# Altium PCB ZZW-FM17550-CB-001-V0.4.PcbDoc (part 1 of 3)
Units mil, origin at the board's own origin, x right, y up, seen from the top; angles counter-clockwise.
Board outline 1510 x 3524 mil, 2 copper layers (Top Layer, Bottom Layer); 440 components, 36 nets, 1370 pads, 672 vias.
Unrouted connection lines stored in the file: 245.
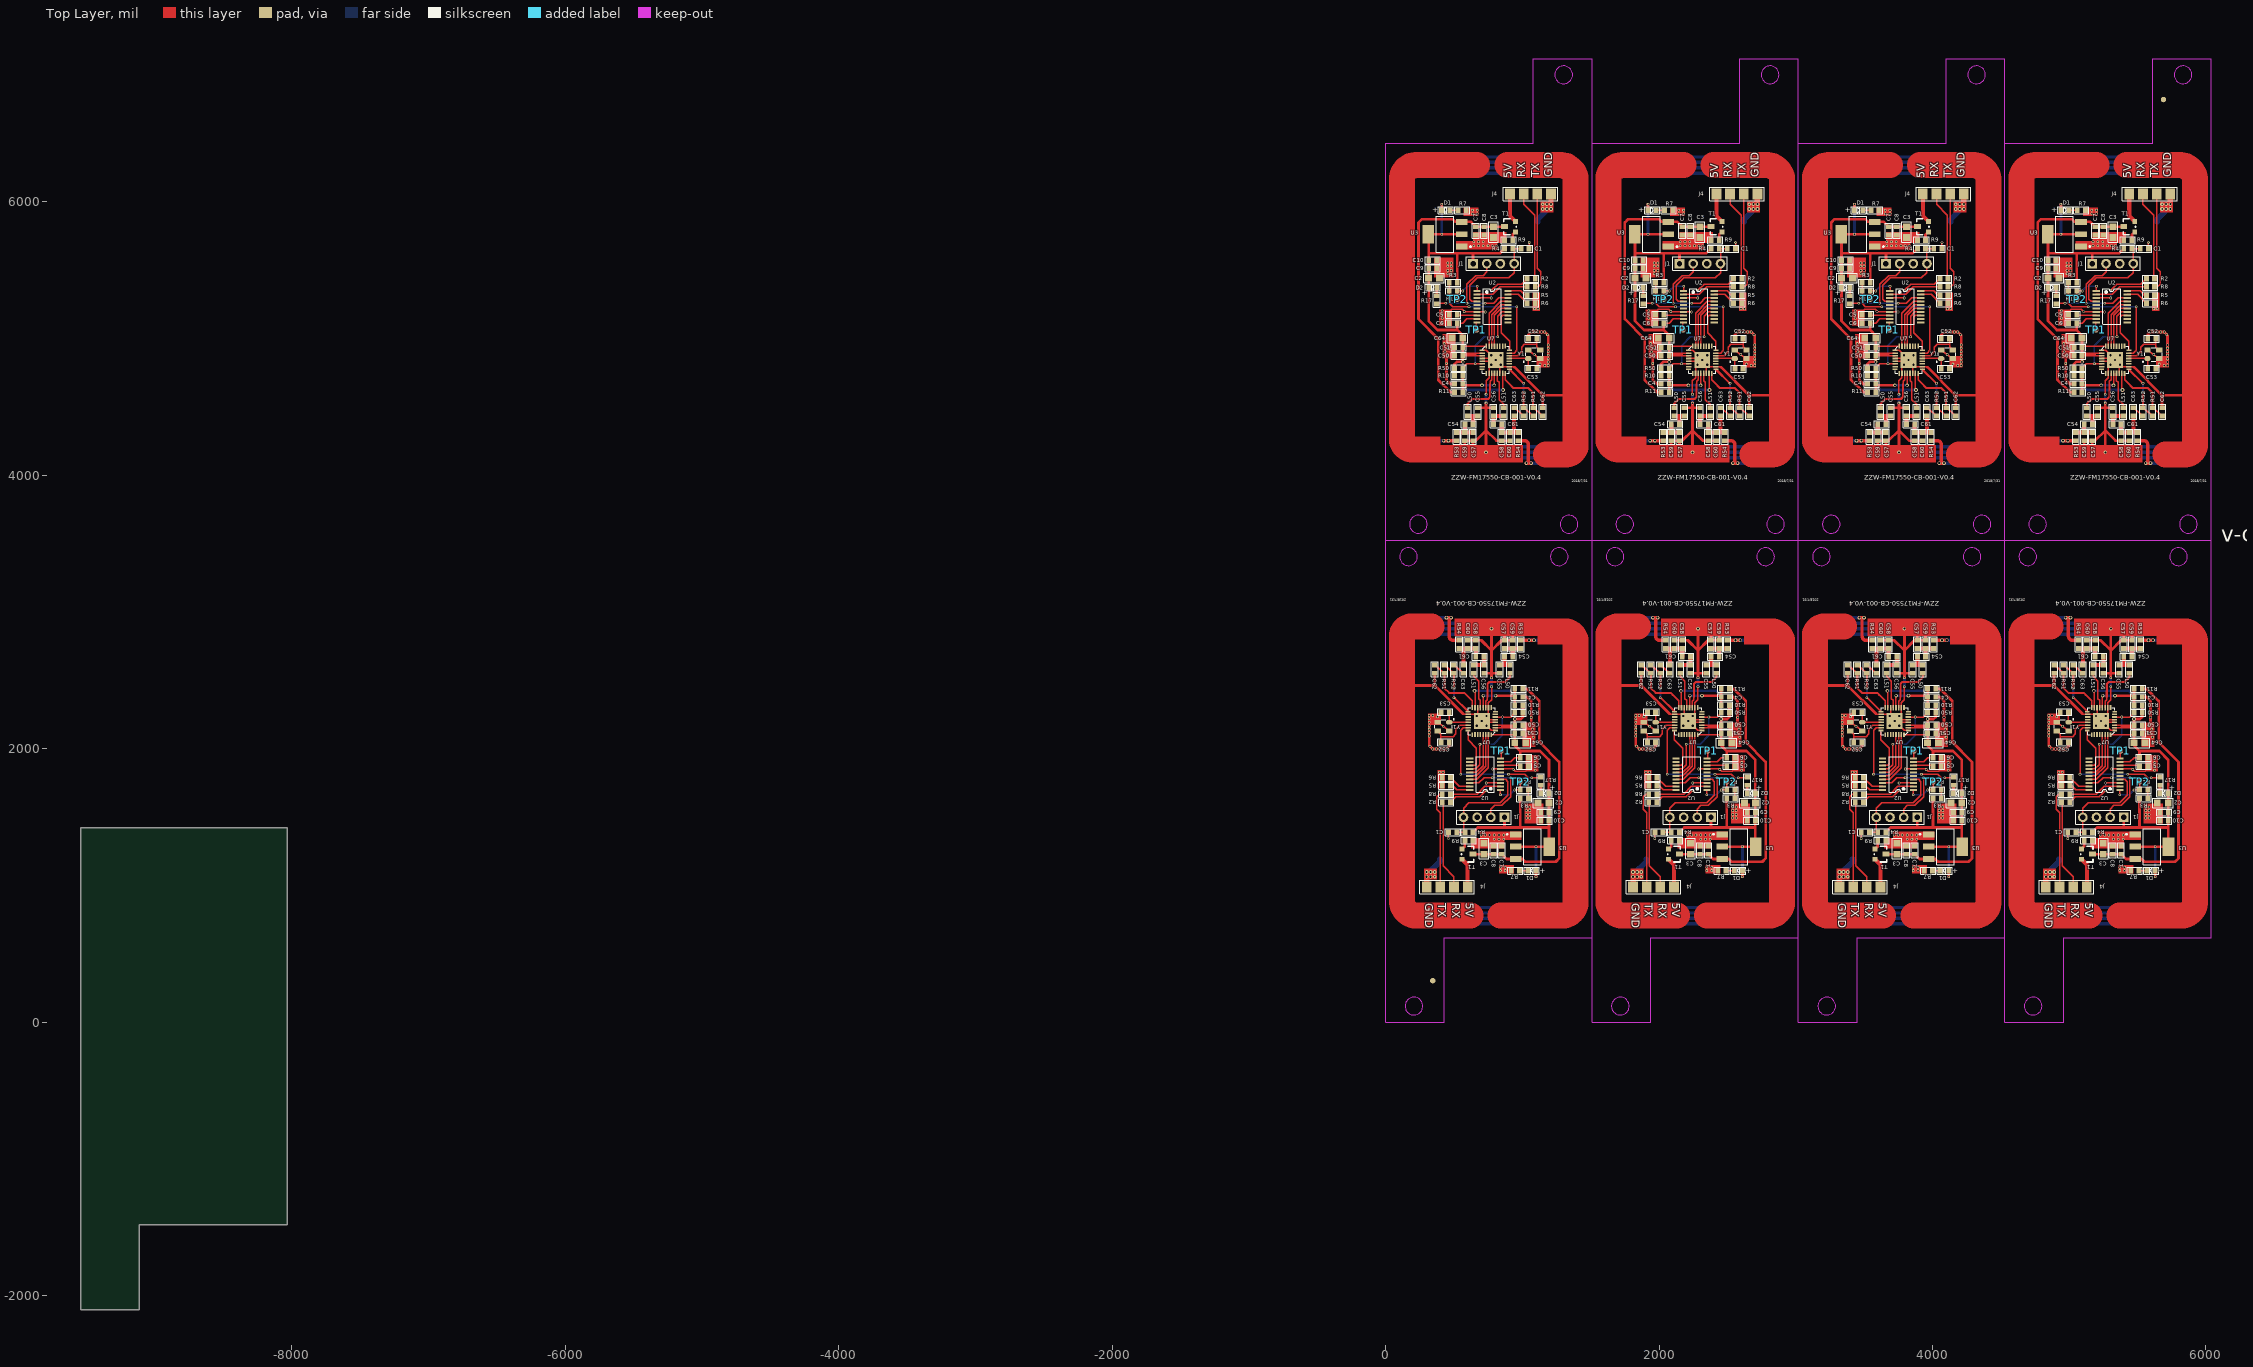
[diagram p0: Top Layer view]
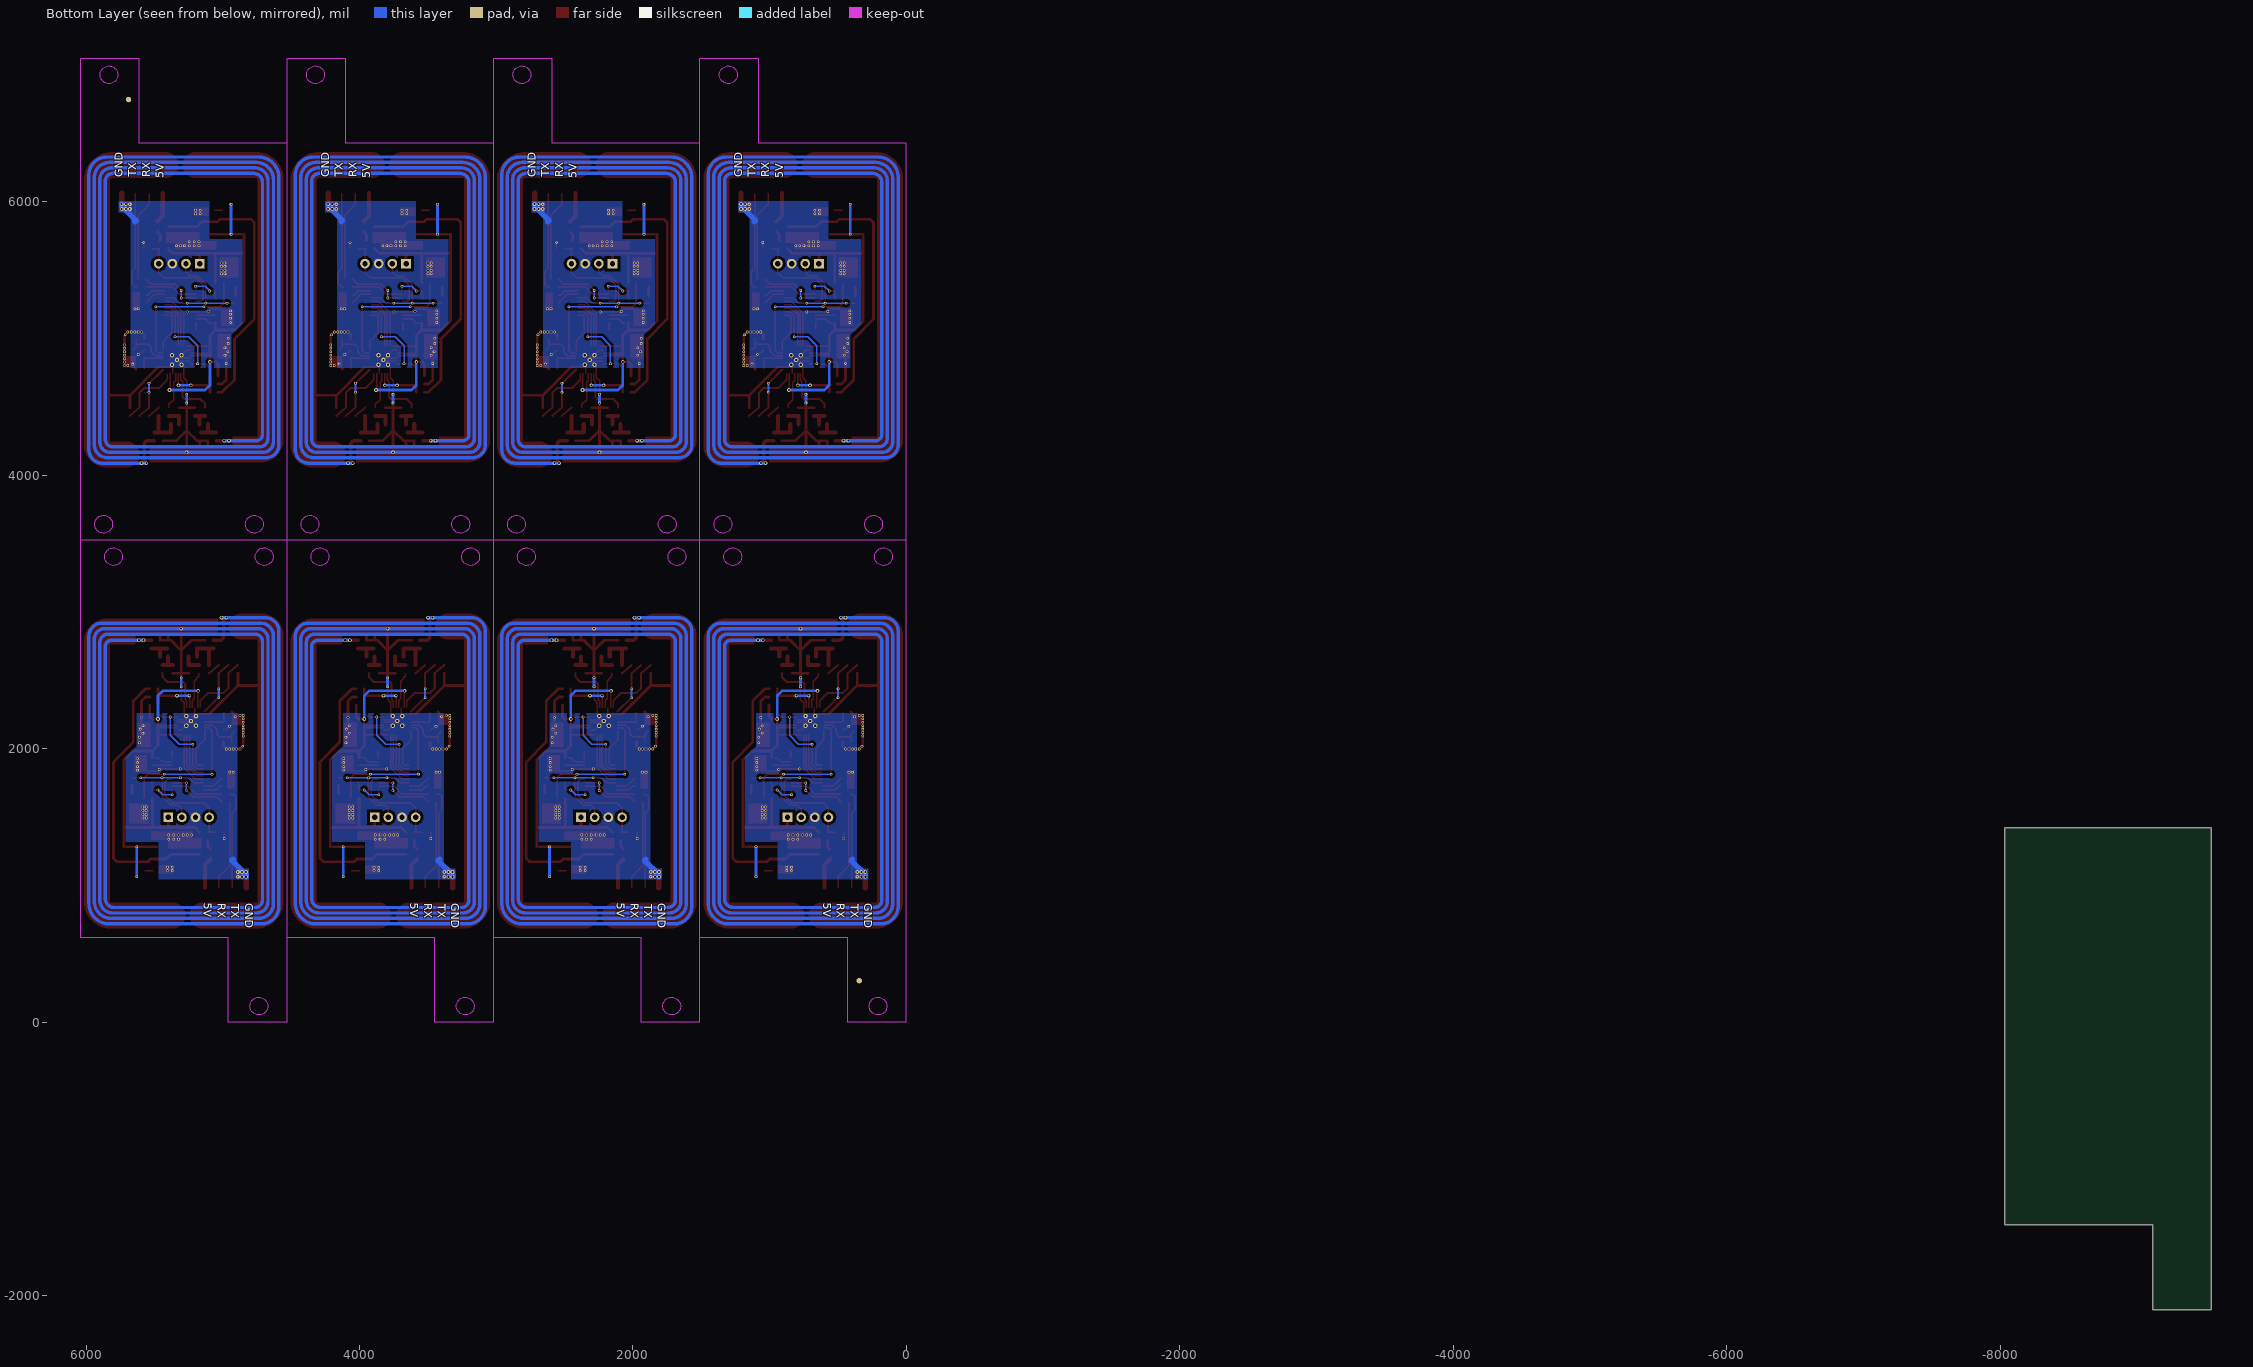
[diagram p1: Bottom Layer view, seen from below]

## Layer stack, top to bottom
Top Solder: solder mask 0.4, Solder Resist, Dk 3.5
Top Layer: signal copper 1.4
Dielectric 1: dielectric 12.6, FR-4, Dk 4.8
Bottom Layer: signal copper 1.4
Bottom Solder: solder mask 0.4, Solder Resist, Dk 3.5

## Board outline
-8035,1422 -8035,-1483 -9115,-1483 -9115,-2102 -9545,-2102 -9545,1422

## Design rules (kind name [scope] priority, off if disabled: settings)
Clearance Clearance_2 [InPolygon] p1: gap=20 ignorepadtopadclearanceinfootprint=FALSE except(0: Arc-Hole Track-Hole SMDPad-Hole THPad-Hole Via-Hole Fill-Hole Poly-Hole Region-Hole Text-Hole; 10: Text-Text)
Clearance Clearance_1 [InPolygon vs IsKeepOut] p2: gap=20 ignorepadtopadclearanceinfootprint=FALSE except(0: Arc-Hole Track-Hole SMDPad-Hole THPad-Hole Via-Hole Fill-Hole Poly-Hole Region-Hole Text-Hole)
Clearance [All] p3: gap=8 ignorepadtopadclearanceinfootprint=TRUE except(0: Arc-Hole Track-Hole SMDPad-Hole THPad-Hole Via-Hole Fill-Hole Poly-Hole Region-Hole Text-Hole)
ComponentClearance [All] p1: gap=0 collisioncheckmode=3 verticalgap=0 showdistances=FALSE
DiffPairsRouting [All] p1: maxlimit=100 minlimit=1 mostfreqgap=7 toplayer_minwidth=15 toplayer_maxwidth=15 toplayer_prefwidth=15 bottomlayer_minwidth=15 bottomlayer_maxwidth=15 bottomlayer_prefwidth=15 maxuncoupledlength=500
MinimumSolderMaskSliver [All] p1: minsoldermaskwidth=1
PolygonConnect PolygonConnect_2 [InComponent('J4')] p1: connectstyle=Relief reliefconductorwidth=30 reliefentries=4 polygonreliefangle="90 Angle" airgapwidth=20
PolygonConnect PolygonConnect_1 [InComponentClass('十字覆铜器件')] p2: connectstyle=Relief reliefconductorwidth=20 reliefentries=4 polygonreliefangle="90 Angle"
PolygonConnect [All] p3: connectstyle=Direct reliefconductorwidth=20 reliefentries=4 polygonreliefangle="90 Angle" airgapwidth=10
RoutingVias [All] p1: holewidth=11.81 width=19.68 viastyle="Through Hole" minholewidth=11.81 minwidth=19.68 maxholewidth=66.93 maxwidth=106.3
SilkToSilkClearance [All] p1: silktosilkclearance=0
SilkToSolderMaskClearance [IsPad] p1: minsilkscreentomaskgap=0 clearancetoexposedcopper=TRUE
SolderMaskExpansion [All] p1: expansion=4
Width [All] p1: maxlimit=500 minlimit=10 preferedwidth=10
25 further rules are at their usual default settings.

## Classes and differential pairs
component class 十字覆铜器件: J1

## Components (designator, comment, footprint, x,y, rotation, side; value= is the part's Value field where it differs from the comment)
C1 "100nF" 0603 4990,1389 r0 top
C1 "100nF" 0603 3480,1389 r0 top
C1 "100nF" 0603 1970,1389 r0 top
C1 "100nF" 0603 460,1389 r0 top
C1 "100nF" 0603 5580,5659.01 r180 top
C1 "100nF" 0603 4070,5659.01 r180 top
C1 "100nF" 0603 2560,5659.01 r180 top
C1 "100nF" 0603 1050,5659.01 r180 top
C2 "22uF" 0805 5645,1604 r0 top
C2 "22uF" 0805 4135,1604 r0 top
C2 "22uF" 0805 2625,1604 r0 top
C2 "22uF" 0805 1115,1604 r0 top
C2 "22uF" 0805 4925,5444.01 r180 top
C2 "22uF" 0805 3415,5444.01 r180 top
C2 "22uF" 0805 1905,5444.01 r180 top
C2 "22uF" 0805 395,5444.01 r180 top
C3 "22uF" 0805 5250,1309 r270 top
C3 "22uF" 0805 3740,1309 r270 top
C3 "22uF" 0805 2230,1309 r270 top
C3 "22uF" 0805 720,1309 r270 top
C3 "22uF" 0805 5320,5739.01 r90 top
C3 "22uF" 0805 3810,5739.01 r90 top
C3 "22uF" 0805 2300,5739.01 r90 top
C3 "22uF" 0805 790,5739.01 r90 top
C4 "100nF" 0603 5535,2379 r180 top
C4 "100nF" 0603 4025,2379 r180 top
C4 "100nF" 0603 2515,2379 r180 top
C4 "100nF" 0603 1005,2379 r180 top
C4 "100nF" 0603 5035,4669.01 r0 top
C4 "100nF" 0603 3525,4669.01 r0 top
C4 "100nF" 0603 2015,4669.01 r0 top
C4 "100nF" 0603 505,4669.01 r0 top
C5 "1uF" 0603 5575,1874 r180 top
C5 "1uF" 0603 4065,1874 r180 top
C5 "1uF" 0603 2555,1874 r180 top
C5 "1uF" 0603 1045,1874 r180 top
C5 "1uF" 0603 4995,5174.01 r0 top
C5 "1uF" 0603 3485,5174.01 r0 top
C5 "1uF" 0603 1975,5174.01 r0 top
C5 "1uF" 0603 465,5174.01 r0 top
C6 "100nF" 0603 5515,1934 r0 top
C6 "100nF" 0603 4005,1934 r0 top
C6 "100nF" 0603 2495,1934 r0 top
C6 "100nF" 0603 985,1934 r0 top
C6 "100nF" 0603 5055,5114.01 r180 top
C6 "100nF" 0603 3545,5114.01 r180 top
C6 "100nF" 0603 2035,5114.01 r180 top
C6 "100nF" 0603 525,5114.01 r180 top
C7 "10uF" 0603 5380,1289 r270 top
C7 "10uF" 0603 3870,1289 r270 top
C7 "10uF" 0603 2360,1289 r270 top
C7 "10uF" 0603 850,1289 r270 top
C7 "10uF" 0603 5190,5759.01 r90 top
C7 "10uF" 0603 3680,5759.01 r90 top
C7 "10uF" 0603 2170,5759.01 r90 top
C7 "10uF" 0603 660,5759.01 r90 top
C8 "10nF" 0603 5320,1289 r270 top
C8 "10nF" 0603 3810,1289 r270 top
C8 "10nF" 0603 2300,1289 r270 top
C8 "10nF" 0603 790,1289 r270 top
C8 "10nF" 0603 5250,5759.01 r90 top
C8 "10nF" 0603 3740,5759.01 r90 top
C8 "10nF" 0603 2230,5759.01 r90 top
C8 "10nF" 0603 720,5759.01 r90 top
C9 "10uF" 0603 5665,1534 r0 top
C9 "10uF" 0603 4155,1534 r0 top
C9 "10uF" 0603 2645,1534 r0 top
C9 "10uF" 0603 1135,1534 r0 top
C9 "10uF" 0603 4905,5514.01 r180 top
C9 "10uF" 0603 3395,5514.01 r180 top
C9 "10uF" 0603 1885,5514.01 r180 top
C9 "10uF" 0603 375,5514.01 r180 top
C10 "10nF" 0603 5665,1474 r0 top
C10 "10nF" 0603 4155,1474 r0 top
C10 "10nF" 0603 2645,1474 r0 top
C10 "10nF" 0603 1135,1474 r0 top
C10 "10nF" 0603 4905,5574.01 r180 top
C10 "10nF" 0603 3395,5574.01 r180 top
C10 "10nF" 0603 1885,5574.01 r180 top
C10 "10nF" 0603 375,5574.01 r180 top
C50 "100nF" 0603 5535.05,2172.64 r180 top
C50 "100nF" 0603 4025.05,2172.64 r180 top
C50 "100nF" 0603 2515.05,2172.64 r180 top
C50 "100nF" 0603 1005.05,2172.64 r180 top
C50 "100nF" 0603 5034.95,4875.37 r0 top
C50 "100nF" 0603 3524.95,4875.37 r0 top
C50 "100nF" 0603 2014.95,4875.37 r0 top
C50 "100nF" 0603 504.95,4875.37 r0 top
C51 "100nF" 0603 5535.05,2112.64 r180 top
C51 "100nF" 0603 4025.05,2112.64 r180 top
C51 "100nF" 0603 2515.05,2112.64 r180 top
C51 "100nF" 0603 1005.05,2112.64 r180 top
C51 "100nF" 0603 5034.95,4935.37 r0 top
C51 "100nF" 0603 3524.95,4935.37 r0 top
C51 "100nF" 0603 2014.95,4935.37 r0 top
C51 "100nF" 0603 504.95,4935.37 r0 top
C52 "15pF" 0603 4995,2049 r180 top
C52 "15pF" 0603 3485,2049 r180 top
C52 "15pF" 0603 1975,2049 r180 top
C52 "15pF" 0603 465,2049 r180 top
C52 "15pF" 0603 5575,4999.01 r0 top
C52 "15pF" 0603 4065,4999.01 r0 top
C52 "15pF" 0603 2555,4999.01 r0 top
C52 "15pF" 0603 1045,4999.01 r0 top
C53 "15pF" 0603 4935,2269 r0 top
C53 "15pF" 0603 3425,2269 r0 top
C53 "15pF" 0603 1915,2269 r0 top
C53 "15pF" 0603 405,2269 r0 top
C53 "15pF" 0603 5635,4779.01 r180 top
C53 "15pF" 0603 4125,4779.01 r180 top
C53 "15pF" 0603 2615,4779.01 r180 top
C53 "15pF" 0603 1105,4779.01 r180 top
C54 "56pF" 0603 5460,2674 r180 top
C54 "56pF" 0603 3950,2674 r180 top
C54 "56pF" 0603 2440,2674 r180 top
C54 "56pF" 0603 930,2674 r180 top
C54 "56pF" 0603 5110,4374.01 r0 top
C54 "56pF" 0603 3600,4374.01 r0 top
C54 "56pF" 0603 2090,4374.01 r0 top
C54 "56pF" 0603 580,4374.01 r0 top
C55 "180pF" 0603 5365.05,2552.64 r90 top
C55 "180pF" 0603 3855.05,2552.64 r90 top
C55 "180pF" 0603 2345.05,2552.64 r90 top
C55 "180pF" 0603 835.05,2552.64 r90 top
C55 "180pF" 0603 5204.95,4495.37 r270 top
C55 "180pF" 0603 3694.95,4495.37 r270 top
C55 "180pF" 0603 2184.95,4495.37 r270 top
C55 "180pF" 0603 674.95,4495.37 r270 top
C56 "180pF" 0603 5250.05,2612.64 r270 top
C56 "180pF" 0603 3740.05,2612.64 r270 top
C56 "180pF" 0603 2230.05,2612.64 r270 top
C56 "180pF" 0603 720.05,2612.64 r270 top
C56 "180pF" 0603 5319.95,4435.37 r90 top
C56 "180pF" 0603 3809.95,4435.37 r90 top
C56 "180pF" 0603 2299.95,4435.37 r90 top
C56 "180pF" 0603 789.95,4435.37 r90 top
C57 "91pF" 0603 5400,2794 r270 top
C57 "91pF" 0603 3890,2794 r270 top
C57 "91pF" 0603 2380,2794 r270 top
C57 "91pF" 0603 870,2794 r270 top
C57 "91pF" 0603 5170,4254.01 r90 top
C57 "91pF" 0603 3660,4254.01 r90 top
C57 "91pF" 0603 2150,4254.01 r90 top
C57 "91pF" 0603 640,4254.01 r90 top
C58 "91pF" 0603 5190,2734 r90 top
C58 "91pF" 0603 3680,2734 r90 top
C58 "91pF" 0603 2170,2734 r90 top
C58 "91pF" 0603 660,2734 r90 top
C58 "91pF" 0603 5380,4314.01 r270 top
C58 "91pF" 0603 3870,4314.01 r270 top
C58 "91pF" 0603 2360,4314.01 r270 top
C58 "91pF" 0603 850,4314.01 r270 top
C59 "100pF" 0603 5460,2794 r270 top
C59 "100pF" 0603 3950,2794 r270 top
C59 "100pF" 0603 2440,2794 r270 top
C59 "100pF" 0603 930,2794 r270 top
C59 "100pF" 0603 5110,4254.01 r90 top
C59 "100pF" 0603 3600,4254.01 r90 top
C59 "100pF" 0603 2090,4254.01 r90 top
C59 "100pF" 0603 580,4254.01 r90 top
C60 "100pF" 0603 5130,2734 r90 top
C60 "100pF" 0603 3620,2734 r90 top
C60 "100pF" 0603 2110,2734 r90 top
C60 "100pF" 0603 600,2734 r90 top
C60 "100pF" 0603 5440,4314.01 r270 top
C60 "100pF" 0603 3930,4314.01 r270 top
C60 "100pF" 0603 2420,4314.01 r270 top
C60 "100pF" 0603 910,4314.01 r270 top
C61 "56pF" 0603 5190,2674 r0 top
C61 "56pF" 0603 3680,2674 r0 top
C61 "56pF" 0603 2170,2674 r0 top
C61 "56pF" 0603 660,2674 r0 top
C61 "56pF" 0603 5380,4374.01 r180 top
C61 "56pF" 0603 3870,4374.01 r180 top
C61 "56pF" 0603 2360,4374.01 r180 top
C61 "56pF" 0603 850,4374.01 r180 top
C62 "100nF" 0603 4890.05,2552.64 r90 top
C62 "100nF" 0603 3380.05,2552.64 r90 top
C62 "100nF" 0603 1870.05,2552.64 r90 top
C62 "100nF" 0603 360.05,2552.64 r90 top
C62 "100nF" 0603 5679.95,4495.37 r270 top
C62 "100nF" 0603 4169.95,4495.37 r270 top
C62 "100nF" 0603 2659.95,4495.37 r270 top
C62 "100nF" 0603 1149.95,4495.37 r270 top
C63 "100nF" 0603 5100.05,2612.64 r270 top
C63 "100nF" 0603 3590.05,2612.64 r270 top
C63 "100nF" 0603 2080.05,2612.64 r270 top
C63 "100nF" 0603 570.05,2612.64 r270 top
C63 "100nF" 0603 5469.95,4435.37 r90 top
C63 "100nF" 0603 3959.95,4435.37 r90 top
C63 "100nF" 0603 2449.95,4435.37 r90 top
C63 "100nF" 0603 939.95,4435.37 r90 top
C64 "22uF" 0805 5555.05,2044 r180 top
C64 "22uF" 0805 4045.05,2044 r180 top
C64 "22uF" 0805 2535.05,2044 r180 top
C64 "22uF" 0805 1025.05,2044 r180 top
C64 "22uF" 0805 5014.95,5004.01 r0 top
C64 "22uF" 0805 3504.95,5004.01 r0 top
C64 "22uF" 0805 1994.95,5004.01 r0 top
C64 "22uF" 0805 484.95,5004.01 r0 top
D1 "GREEN" LED0603 5630,1109 r180 top
D1 "GREEN" LED0603 4120,1109 r180 top
D1 "GREEN" LED0603 2610,1109 r180 top
D1 "GREEN" LED0603 1100,1109 r180 top
D1 "GREEN" LED0603 4940,5939.01 r0 top
D1 "GREEN" LED0603 3430,5939.01 r0 top
D1 "GREEN" LED0603 1920,5939.01 r0 top
D1 "GREEN" LED0603 410,5939.01 r0 top
D2 "RED" LED0603 5725,1674 r180 top
D2 "RED" LED0603 4215,1674 r180 top
D2 "RED" LED0603 2705,1674 r180 top
D2 "RED" LED0603 1195,1674 r180 top
D2 "RED" LED0603 4845,5374.01 r0 top
D2 "RED" LED0603 3335,5374.01 r0 top
D2 "RED" LED0603 1825,5374.01 r0 top
D2 "RED" LED0603 315,5374.01 r0 top
J1 "" SIP4-2.54 5400,1499 r180 top
J1 "" SIP4-2.54 3890,1499 r180 top
J1 "" SIP4-2.54 2380,1499 r180 top
J1 "" SIP4-2.54 870,1499 r180 top
J1 "" SIP4-2.54 5170,5549.01 r0 top
J1 "" SIP4-2.54 3660,5549.01 r0 top
J1 "" SIP4-2.54 2150,5549.01 r0 top
J1 "" SIP4-2.54 640,5549.01 r0 top
J4 "" SIP4-2.54-T 5130,989 r180 top
J4 "" SIP4-2.54-T 3620,989 r180 top
J4 "" SIP4-2.54-T 2110,989 r180 top
J4 "" SIP4-2.54-T 600,989 r180 top
J4 "" SIP4-2.54-T 5440,6059.01 r0 top
J4 "" SIP4-2.54-T 3930,6059.01 r0 top
J4 "" SIP4-2.54-T 2420,6059.01 r0 top
J4 "" SIP4-2.54-T 910,6059.01 r0 top
L50 "680nH" 0603 5440.05,2552.64 r90 top
L50 "680nH" 0603 3930.05,2552.64 r90 top
L50 "680nH" 0603 2420.05,2552.64 r90 top
L50 "680nH" 0603 910.05,2552.64 r90 top
L50 "680nH" 0603 5129.95,4495.37 r270 top
L50 "680nH" 0603 3619.95,4495.37 r270 top
L50 "680nH" 0603 2109.95,4495.37 r270 top
L50 "680nH" 0603 599.95,4495.37 r270 top
L51 "680nH" 0603 5175.05,2552.64 r90 top
L51 "680nH" 0603 3665.05,2552.64 r90 top
L51 "680nH" 0603 2155.05,2552.64 r90 top
L51 "680nH" 0603 645.05,2552.64 r90 top
L51 "680nH" 0603 5394.95,4495.37 r270 top
L51 "680nH" 0603 3884.95,4495.37 r270 top
L51 "680nH" 0603 2374.95,4495.37 r270 top
L51 "680nH" 0603 864.95,4495.37 r270 top
R1 "NC_0R" 0603 5575,1699 r180 top
R1 "NC_0R" 0603 4065,1699 r180 top
R1 "NC_0R" 0603 2555,1699 r180 top
R1 "NC_0R" 0603 1045,1699 r180 top
R1 "NC_0R" 0603 4995,5349.01 r0 top
R1 "NC_0R" 0603 3485,5349.01 r0 top
R1 "NC_0R" 0603 1975,5349.01 r0 top
R1 "NC_0R" 0603 465,5349.01 r0 top
R2 "0R" 0603 4945,1609 r0 top
R2 "0R" 0603 3435,1609 r0 top
R2 "0R" 0603 1925,1609 r0 top
R2 "0R" 0603 415,1609 r0 top
R2 "0R" 0603 5625,5439.01 r180 top
R2 "0R" 0603 4115,5439.01 r180 top
R2 "0R" 0603 2605,5439.01 r180 top
R2 "0R" 0603 1095,5439.01 r180 top
R3 "NC_10K" 0603 5575,1639 r180 top
R3 "NC_10K" 0603 4065,1639 r180 top
R3 "NC_10K" 0603 2555,1639 r180 top
R3 "NC_10K" 0603 1045,1639 r180 top
R3 "NC_10K" 0603 4995,5409.01 r0 top
R3 "NC_10K" 0603 3485,5409.01 r0 top
R3 "NC_10K" 0603 1975,5409.01 r0 top
R3 "NC_10K" 0603 465,5409.01 r0 top
R4 "100K" 0603 5110,1389 r0 top
R4 "100K" 0603 3600,1389 r0 top
R4 "100K" 0603 2090,1389 r0 top
R4 "100K" 0603 580,1389 r0 top
R4 "100K" 0603 5460,5659.01 r180 top
R4 "100K" 0603 3950,5659.01 r180 top
R4 "100K" 0603 2440,5659.01 r180 top
R4 "100K" 0603 930,5659.01 r180 top
R5 "NC_100K" 0603 4945,1729 r0 top
R5 "NC_100K" 0603 3435,1729 r0 top
R5 "NC_100K" 0603 1925,1729 r0 top
R5 "NC_100K" 0603 415,1729 r0 top
R5 "NC_100K" 0603 5625,5319.01 r180 top
R5 "NC_100K" 0603 4115,5319.01 r180 top
R5 "NC_100K" 0603 2605,5319.01 r180 top
R5 "NC_100K" 0603 1095,5319.01 r180 top
R6 "NC_100K" 0603 4945,1789 r0 top
R6 "NC_100K" 0603 3435,1789 r0 top
R6 "NC_100K" 0603 1925,1789 r0 top
R6 "NC_100K" 0603 415,1789 r0 top
R6 "NC_100K" 0603 5625,5259.01 r180 top
R6 "NC_100K" 0603 4115,5259.01 r180 top
R6 "NC_100K" 0603 2605,5259.01 r180 top
R6 "NC_100K" 0603 1095,5259.01 r180 top
R7 "1K" 0603 5450,1109 r0 top
R7 "1K" 0603 3940,1109 r0 top
R7 "1K" 0603 2430,1109 r0 top
R7 "1K" 0603 920,1109 r0 top
R7 "1K" 0603 5120,5939.01 r180 top
R7 "1K" 0603 3610,5939.01 r180 top
R7 "1K" 0603 2100,5939.01 r180 top
R7 "1K" 0603 590,5939.01 r180 top
R8 "0R" 0603 4945,1669 r0 top
R8 "0R" 0603 3435,1669 r0 top
R8 "0R" 0603 1925,1669 r0 top
R8 "0R" 0603 415,1669 r0 top
R8 "0R" 0603 5625,5379.01 r180 top
R8 "0R" 0603 4115,5379.01 r180 top
R8 "0R" 0603 2605,5379.01 r180 top
R8 "0R" 0603 1095,5379.01 r180 top
R9 "10K" 0603 5110,1329 r0 top
R9 "10K" 0603 3600,1329 r0 top
R9 "10K" 0603 2090,1329 r0 top
R9 "10K" 0603 580,1329 r0 top
R9 "10K" 0603 5460,5719.01 r180 top
R9 "10K" 0603 3950,5719.01 r180 top
R9 "10K" 0603 2440,5719.01 r180 top
R9 "10K" 0603 930,5719.01 r180 top
R10 "NC_0R" 0603 5535,2319 r180 top
R10 "NC_0R" 0603 4025,2319 r180 top
R10 "NC_0R" 0603 2515,2319 r180 top
R10 "NC_0R" 0603 1005,2319 r180 top
R10 "NC_0R" 0603 5035,4729.01 r0 top
R10 "NC_0R" 0603 3525,4729.01 r0 top
R10 "NC_0R" 0603 2015,4729.01 r0 top
R10 "NC_0R" 0603 505,4729.01 r0 top
R11 "0R" 0603 5535,2439 r180 top
R11 "0R" 0603 4025,2439 r180 top
R11 "0R" 0603 2515,2439 r180 top
R11 "0R" 0603 1005,2439 r180 top
R11 "0R" 0603 5035,4609.01 r0 top
R11 "0R" 0603 3525,4609.01 r0 top
R11 "0R" 0603 2015,4609.01 r0 top
R11 "0R" 0603 505,4609.01 r0 top
R17 "1K" 0603 5665,1794 r270 top
R17 "1K" 0603 4155,1794 r270 top
R17 "1K" 0603 2645,1794 r270 top
R17 "1K" 0603 1135,1794 r270 top
R17 "1K" 0603 4905,5254.01 r90 top
R17 "1K" 0603 3395,5254.01 r90 top
R17 "1K" 0603 1885,5254.01 r90 top
R17 "1K" 0603 375,5254.01 r90 top
R50 "100K" 0603 5475.05,2262.64 r0 top
R50 "100K" 0603 3965.05,2262.64 r0 top
R50 "100K" 0603 2455.05,2262.64 r0 top
R50 "100K" 0603 945.05,2262.64 r0 top
R50 "100K" 0603 5094.95,4785.37 r180 top
R50 "100K" 0603 3584.95,4785.37 r180 top
R50 "100K" 0603 2074.95,4785.37 r180 top
R50 "100K" 0603 564.95,4785.37 r180 top
R51 "2.7K" 0603 4960.05,2552.64 r90 top
R51 "2.7K" 0603 3450.05,2552.64 r90 top
R51 "2.7K" 0603 1940.05,2552.64 r90 top
R51 "2.7K" 0603 430.05,2552.64 r90 top
R51 "2.7K" 0603 5609.95,4495.37 r270 top
R51 "2.7K" 0603 4099.95,4495.37 r270 top
R51 "2.7K" 0603 2589.95,4495.37 r270 top
R51 "2.7K" 0603 1079.95,4495.37 r270 top
R52 "820R" 0603 5030.05,2552.64 r90 top
R52 "820R" 0603 3520.05,2552.64 r90 top
R52 "820R" 0603 2010.05,2552.64 r90 top
R52 "820R" 0603 500.05,2552.64 r90 top
R52 "820R" 0603 5539.95,4495.37 r270 top
R52 "820R" 0603 4029.95,4495.37 r270 top
R52 "820R" 0603 2519.95,4495.37 r270 top
R52 "820R" 0603 1009.95,4495.37 r270 top
R53 "0R" 0603 5520,2734 r90 top
R53 "0R" 0603 4010,2734 r90 top
R53 "0R" 0603 2500,2734 r90 top
R53 "0R" 0603 990,2734 r90 top
R53 "0R" 0603 5050,4314.01 r270 top
R53 "0R" 0603 3540,4314.01 r270 top
R53 "0R" 0603 2030,4314.01 r270 top
R53 "0R" 0603 520,4314.01 r270 top
R54 "0R" 0603 5070,2734 r90 top
R54 "0R" 0603 3560,2734 r90 top
R54 "0R" 0603 2050,2734 r90 top
R54 "0R" 0603 540,2734 r90 top
R54 "0R" 0603 5500,4314.01 r270 top
R54 "0R" 0603 3990,4314.01 r270 top
R54 "0R" 0603 2480,4314.01 r270 top
R54 "0R" 0603 970,4314.01 r270 top
T1 "AO3401" SOT-23-H 5090,1267 r270 top
T1 "AO3401" SOT-23-H 3580,1267 r270 top
T1 "AO3401" SOT-23-H 2070,1267 r270 top
T1 "AO3401" SOT-23-H 560,1267 r270 top
T1 "AO3401" SOT-23-H 5480,5781.01 r90 top
T1 "AO3401" SOT-23-H 3970,5781.01 r90 top
T1 "AO3401" SOT-23-H 2460,5781.01 r90 top
T1 "AO3401" SOT-23-H 950,5781.01 r90 top
TP1 "TP" TEST-POINT 5375,1984 r90 top
TP1 "TP" TEST-POINT 3865,1984 r90 top
TP1 "TP" TEST-POINT 2355,1984 r90 top
TP1 "TP" TEST-POINT 845,1984 r90 top
TP1 "TP" TEST-POINT 5195,5064.01 r270 top
TP1 "TP" TEST-POINT 3685,5064.01 r270 top
TP1 "TP" TEST-POINT 2175,5064.01 r270 top
TP1 "TP" TEST-POINT 665,5064.01 r270 top
TP2 "TP" TEST-POINT 5515,1759 r90 top
TP2 "TP" TEST-POINT 4005,1759 r90 top
TP2 "TP" TEST-POINT 2495,1759 r90 top
TP2 "TP" TEST-POINT 985,1759 r90 top
TP2 "TP" TEST-POINT 5055,5289.01 r270 top
TP2 "TP" TEST-POINT 3545,5289.01 r270 top
TP2 "TP" TEST-POINT 2035,5289.01 r270 top
TP2 "TP" TEST-POINT 525,5289.01 r270 top
U2 "STM8S003F3P6" SOP-20 5371.38,1699 r180 top
U2 "STM8S003F3P6" SOP-20 3861.38,1699 r180 top
U2 "STM8S003F3P6" SOP-20 2351.38,1699 r180 top
U2 "STM8S003F3P6" SOP-20 841.38,1699 r180 top
U2 "STM8S003F3P6" SOP-20 5198.62,5349.01 r0 top
U2 "STM8S003F3P6" SOP-20 3688.62,5349.01 r0 top
U2 "STM8S003F3P6" SOP-20 2178.62,5349.01 r0 top
U2 "STM8S003F3P6" SOP-20 668.62,5349.01 r0 top
U3 "LM1117-3.3" DSO-G3 5605,1284 r270 top
U3 "LM1117-3.3" DSO-G3 4095,1284 r270 top
U3 "LM1117-3.3" DSO-G3 2585,1284 r270 top
U3 "LM1117-3.3" DSO-G3 1075,1284 r270 top
U3 "LM1117-3.3" DSO-G3 4965,5764.01 r90 top
U3 "LM1117-3.3" DSO-G3 3455,5764.01 r90 top
U3 "LM1117-3.3" DSO-G3 1945,5764.01 r90 top
U3 "LM1117-3.3" DSO-G3 435,5764.01 r90 top
U7 "FM17550" HVQFN32 5331.9,2133.9 r180 top
U7 "FM17550" HVQFN32 3821.9,2133.9 r180 top
U7 "FM17550" HVQFN32 2311.9,2133.9 r180 top
U7 "FM17550" HVQFN32 801.9,2133.9 r180 top
U7 "FM17550" HVQFN32 5238.1,4914.11 r0 top
U7 "FM17550" HVQFN32 3728.1,4914.11 r0 top
U7 "FM17550" HVQFN32 2218.1,4914.11 r0 top
U7 "FM17550" HVQFN32 708.1,4914.11 r0 top
Y1 "27.12M" 3225 4996.61,2194 r180 top
Y1 "27.12M" 3225 3486.61,2194 r180 top
Y1 "27.12M" 3225 1976.61,2194 r180 top
Y1 "27.12M" 3225 466.61,2194 r180 top
Y1 "27.12M" 3225 5573.39,4854.01 r0 top
Y1 "27.12M" 3225 4063.39,4854.01 r0 top
Y1 "27.12M" 3225 2553.39,4854.01 r0 top
Y1 "27.12M" 3225 1043.39,4854.01 r0 top

## Footprints (in the part's own frame and the unit in brackets; to place one, negate y for a bottom-side part, rotate by r counter-clockwise, add the part's x,y. Pads: shape width x height; smd on the part's side, far side on the other; paste and mask are expansions set on the pad)
0603 [mil]
  rect 35x40 smd: 1(0,0) 2(60,0)
  silkscreen extent -25,-25 85,25
0805 [mil]
  rect 50x50 smd: 1(0,0) 2(80,0)
  silkscreen extent -35,-35 115,35
3225 [mm]
  oct 1.2x0.9 smd: 1(0,0)
  rect 1.2x0.9 smd: 2(2.2,0) 3(2.2,1.6) 4(0,1.6)
  silkscreen extent -0.94,-0.68 2.7,2.05
DSO-G3 [mm]
  rect 1.1x2.15 smd: 1(-2.3,-3.1) 2(0,-3.1) 3(2.3,-3.1)
  rect 3.5x2.15 smd: 4(0,3.1)
  silkscreen extent -3.35,-4.85 3.35,1.63
HVQFN32 [mm]
  round 0.8 hole 0.4: 0(1.64,-0.892) 0(1.64,-2.67) 0(2.489,-1.753) 0(3.418,-2.67) 0(3.418,-0.892)
  rect 2.95x2.95 smd: 0(2.489,-1.753)
  rect 0.9x0.3 smd: 1(-0.05,0) 8(-0.05,-3.5) 17(5.05,-3.5) 24(5.05,0)
  rect 1x0.3 smd: 2(0,-0.5) 3(0,-1) 4(0,-1.5) 5(0,-2) 6(0,-2.5) 7(0,-3) 18(5,-3) 19(5,-2.5) 20(5,-2) 21(5,-1.5) 22(5,-1) 23(5,-0.5)
  rect 0.3x0.9 smd: 9(0.75,-4.3) 16(4.25,-4.3) 25(4.25,0.8) 32(0.75,0.8)
  rect 0.3x1 smd: 10(1.25,-4.25) 11(1.75,-4.25) 12(2.25,-4.25) 13(2.75,-4.25) 14(3.25,-4.25) 15(3.75,-4.25) 26(3.75,0.75) 27(3.25,0.75) 28(2.75,0.75) 29(2.25,0.75) 30(1.75,0.75) 31(1.25,0.75)
  silkscreen extent 0,-4.25 5,0.75
LED0603 [mil]
  rect 35x40 smd: 1(0,0) 2(60,0)
  silkscreen extent -25,-25 85,25
SIP4-2.54 [mm]
  rect 1.8x1.8 hole 1: 1(0,0)
  round 1.8 hole 1: 2(2.54,0) 3(5.08,0) 4(7.62,0)
  silkscreen extent -1.27,-1.27 8.89,1.27
SIP4-2.54-T [mm]
  rect 1.8x2 smd: 1(0,0) 2(2.54,0) 3(5.08,0) 4(7.62,0)
  silkscreen extent -1.27,-1.27 8.89,1.27
SOP-20 [mm]
  rect 1.35x0.4 smd: 1(0,0) 2(0,-0.65) 3(0,-1.3) 4(0,-1.95) 5(0,-2.6) 6(0,-3.25) 7(0,-3.9) 8(0,-4.55) 9(0,-5.2) 10(0,-5.85) 11(5.75,-5.85) 12(5.75,-5.2) 13(5.75,-4.55) 14(5.75,-3.9) 15(5.75,-3.25) 16(5.75,-2.6) 17(5.75,-1.95) 18(5.75,-1.3) 19(5.75,-0.65) 20(5.75,0)
  silkscreen extent 1.19,-6.2 4.52,0.46
SOT-23-H [mil]
  rect 36x50 smd: 1(38,80)
  rect 36x36 smd: 2(0,0) 3(75,0)
  silkscreen extent -20,-5 95,85
TEST-POINT [mm]
  round 1 smd: 1(0,0)

## Part data
C1 C1 C1 C1 C1 C1 C1 C1 C2 C2 C2 C2 C2 C2 C2 C2 C3 C3 C3 C3 C3 C3 C3 C3 C4 C4 C4 C4 C4 C4 C4 C4 C5 C5 C5 C5 C5 C5 C5 C5 C6 C6 C6 C6 C6 C6 C6 C6 C7 C7 C7 C7 C7 C7 C7 C7 C8 C8 C8 C8 C8 C8 C8 C8 C9 C9 C9 C9 C9 C9 C9 C9 C10 C10 C10 C10 C10 C10 C10 C10 C50 C50 C50 C50 C50 C50 C50 C50 C51 C51 C51 C51 C51 C51 C51 C51 C64 C64 C64 C64 C64 C64 C64 C64: library part 0.1uF
C52 C52 C52 C52 C52 C52 C52 C52 C53 C53 C53 C53 C53 C53 C53 C53 C54 C54 C54 C54 C54 C54 C54 C54 C56 C56 C56 C56 C56 C56 C56 C56 C57 C57 C57 C57 C57 C57 C57 C57 C58 C58 C58 C58 C58 C58 C58 C58 C59 C59 C59 C59 C59 C59 C59 C59 C60 C60 C60 C60 C60 C60 C60 C60 C61 C61 C61 C61 C61 C61 C61 C61 C62 C62 C62 C62 C62 C62 C62 C62 C63 C63 C63 C63 C63 C63 C63 C63: library part Cap, "Capacitor"
C55 C55 C55 C55 C55 C55 C55 C55: library part Cap, "0.1"
D1 D1 D1 D1 D1 D1 D1 D1 D2 D2 D2 D2 D2 D2 D2 D2: library part LED
J1 J1 J1 J1 J1 J1 J1 J1 J4 J4 J4 J4 J4 J4 J4 J4: library part CON4, "Connector"
L50 L50 L50 L50 L50 L50 L50 L50 L51 L51 L51 L51 L51 L51 L51 L51: library part INDUCTANCE, "TAIYO"
R1 R1 R1 R1 R1 R1 R1 R1 R2 R2 R2 R2 R2 R2 R2 R2 R3 R3 R3 R3 R3 R3 R3 R3 R8 R8 R8 R8 R8 R8 R8 R8 R10 R10 R10 R10 R10 R10 R10 R10 R11 R11 R11 R11 R11 R11 R11 R11 R51 R51 R51 R51 R51 R51 R51 R51 R52 R52 R52 R52 R52 R52 R52 R52 R53 R53 R53 R53 R53 R53 R53 R53 R54 R54 R54 R54 R54 R54 R54 R54: library part Res1, "Resistor"
R4 R4 R4 R4 R4 R4 R4 R4 R5 R5 R5 R5 R5 R5 R5 R5 R6 R6 R6 R6 R6 R6 R6 R6 R7 R7 R7 R7 R7 R7 R7 R7 R9 R9 R9 R9 R9 R9 R9 R9 R17 R17 R17 R17 R17 R17 R17 R17 R50 R50 R50 R50 R50 R50 R50 R50: library part RES1
T1 T1 T1 T1 T1 T1 T1 T1: library part MOSFET-P, "P-Channel MOSFET", LatestRevisionDate=17-Jul-2002, LatestRevisionNote="Re-released for DXP Platform.", PackageDescription="TO, Flat Index; 3 In-Line, Axial Leads; Body Dia. 4.6mm; Lead Dia. 0.5 mm (max)", PackageReference=E3, PackageVersion=1995/1996, Published=8-Jun-2000, Publisher="Altium Limited"
U3 U3 U3 U3 U3 U3 U3 U3: library part AMS1117
U7 U7 U7 U7 U7 U7 U7 U7: library part MFRC522
Y1 Y1 Y1 Y1 Y1 Y1 Y1 Y1: library part CRYSTAL_1, "Crystal"

## Free pads (board coordinates)
  round 39.37 all layers, no hole: 4(345,304) 4(5690,6749)

## Via types
v1: diameter 20, hole 12, Top Layer to Bottom Layer, tented both sides, 432 vias
v2: diameter 19.68, hole 11.81, Top Layer to Bottom Layer, tented both sides, 120 vias
v3: diameter 27, hole 15, Top Layer to Bottom Layer, tented both sides, 104 vias
v4: diameter 27, hole 12, Top Layer to Bottom Layer, tented both sides, 16 vias

## Nets (pads, with @x,y where several pads share a name; then routed paths per layer and width w, separated by ;. In a path a pad name is that pad's centre, name@x,y a point inside that pad or via, vN(x,y) a via of type N, cw(c..) or ccw(c..) an arc to the next point about the centre after c; other vN are vias at no path point)
+5V: J4.1 T1.3 | length 1796.5
  Top Layer w30: T1.3@560,1192 600,1152 J4.1@600,989 J4.1@600,984 ; J4.1@910,6064.01 J4.1@910,6059.01 910,5896.01 T1.3@950,5856.01 ; T1.3@2070,1192 2110,1152 J4.1@2110,989 J4.1@2110,984 ; J4.1@2420,6064.01 J4.1@2420,6059.01 2420,5896.01 T1.3@2460,5856.01 ; T1.3@3580,1192 3620,1152 J4.1@3620,989 J4.1@3620,984 ; J4.1@3930,6064.01 J4.1@3930,6059.01 3930,5896.01 T1.3@3970,5856.01 ; T1.3@5090,1192 5130,1152 J4.1@5130,989 J4.1@5130,984 ; J4.1@5440,6064.01 J4.1@5440,6059.01 5440,5896.01 T1.3@5480,5856.01